# KiCad board pcb.kicad_pcb (continued)
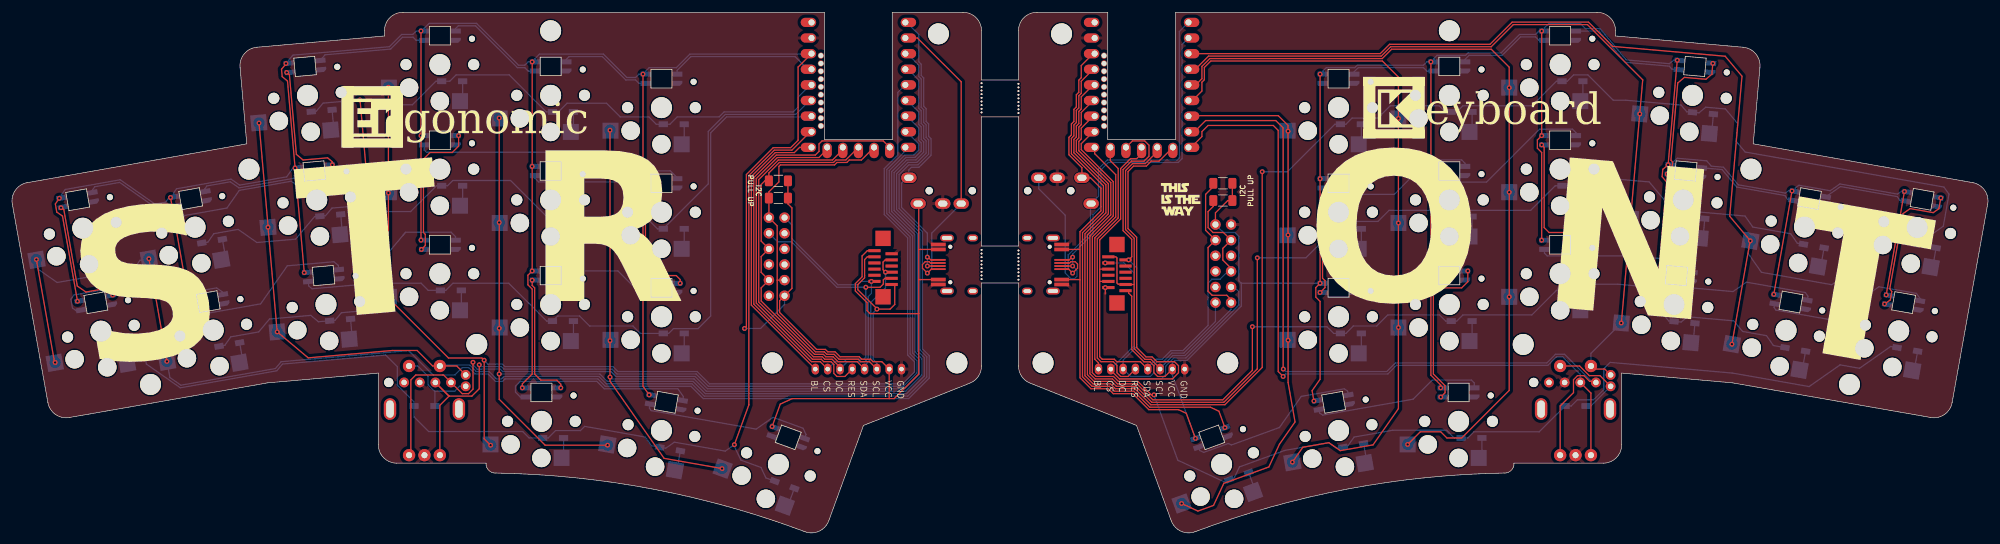
[diagram p0: board, top side]
## Routing (per net, layer and track width the routed paths; a pad name or vN(x,y) marks a point on that pad's centre or on a via; arc(x,y) is an arc through that point) (continued)
  Bottom w0.2: LED24.1 199.7,40.58 ; 199.7,40.58 199.3,40.98 199.3,48.2 198.67,48.83 196.8,48.83 CIRQUE4.1 ; 199.7,40.58 199.7,36.86 190.87,28.03 188.92,28.03 188.5,27.61 DISP2.2 188.3,26.2 v1(192.25,15.36) ; LED32.1 307.01,55.57 306.3,55.07 296.94,56.72 295.37,55.62 290.3,56.51 289.73,56.11 LED33.1 288.71,55.67 288.08,55.24 280.44,56.59 280.42,56.61 278.04,59.45 276.04,59.62 275.32,60.48 270.54,60.9 269.44,59.98 LED34.1 ; LED38.1 212.95,75.08 213.5,75.63 218.14,75.63 218.54,76.03 229.3,76.03 229.85,76.58 LED37.1 230.95,77.08 231.5,77.63 236.14,77.63 236.54,78.03 241.9,78.03 244.9,81.03 247.5,81.03 248.05,81.58 LED36.1 248.95,82.12 249.62,82.78 254.82,82.78 255.62,81.98 257.98,81.98 257.99,81.96 262.26,76.88 269.24,76.27 269.97,76.88 LED35.1
BL: length 47.3
  Top w0.2: DISP1.8 120.1,37.03 120.1,57.93 124,61.82 127.09,61.82 127.94,62.67 MCU1.15
BL_r: length 39.1
  Top w0.2: MCU2.15 175.88,61.65 179.3,58.23 179.3,51.36 175.9,47.96 175.9,28.23 176.5,27.63 DISP2.8
col0: length 247.7
  Top w0.2: v1(22.24,44.57) 25.18,27.9 ; v1(7,27.7) 6.9,27.78 v1(3.96,44.44)
  Bottom w0.2: SW1.2 3.97,44.37 4.23,42.87 7.32,40.7 19.8,42.9 20.79,44.31 v1(22.24,44.57) ; SW11.2 25.64,25.26 27.43,24.01 42.79,26.72 43.73,27.83 64.41,29.64 64.48,29.58 68.39,25.67 71.94,25.67 73.14,26.87 74.19,26.87 75.24,25.83 76.52,25.83 76.53,25.83 77.34,25.83 78.54,24.63 79.69,24.63 80.09,25.03 95.17,25.03 96.37,23.83 110.3,23.83 112.3,21.83 145.67,21.83 149.01,25.17 149.01,28.81 147.9,29.92 147.9,48.95 144.1,52.75 144.1,58.24 145.7,59.83 147.17,59.83 148.9,61.57 148.9,63.89 148.5,64.29 148.5,66.33 148.1,66.73 148.1,68.8 147.7,69.2 147.7,73.8 147.3,74.2 147.3,76.03 145.42,77.91 MCU1.3
  vias: v1(25.16,27.87)
col0_r: length 184.3
  Top w0.2: v1(297.7,30.57) 300.66,47.34 v1(300.7,47.37) ; v1(279.4,30.67) 282.36,47.44 v1(282.4,47.47) 279.05,51.47 281.04,74.24 278.32,77.49 260.05,79.09 256.1,83.03 243.7,83.03 240.1,79.43 223.8,79.43 222.27,77.91 MCU2.3
  Bottom w0.2: v1(282.4,47.47) 282.04,45.44 284.2,42.36 295.62,40.34 300,43.41 v1(300.7,47.37)
col1: length 207.4
  Top w0.2: v1(40.13,66.62) 41.61,49.7 v1(41.59,49.67) 43.07,32.68 v1(43.09,32.67) 48.11,28.46 61.79,29.65 65.81,29.65 68.33,27.13 RE1.S1 72.25,27.13 ROLL1.S1
  Bottom w0.2: RE1.S1 69.64,27.27 74.36,27.27 75.4,26.23 76.36,26.23 76.36,26.23 77.5,26.23 78.7,25.03 79.52,25.03 79.92,25.43 95.34,25.43 96.54,24.23 110.47,24.23 112.47,22.23 145.5,22.23 148.61,25.34 148.61,28.64 147.5,29.75 147.5,48.78 143.7,52.58 143.7,58.4 145.53,60.23 147,60.23 148.5,61.73 148.5,63.73 148.1,64.13 148.1,66.16 147.7,66.56 147.7,68.63 147.3,69.03 147.3,73.63 145.56,75.37 MCU1.4
col1_r: length 133
  Top w0.2: ROLL2.S1 258.75,26.63 257,26.63 RE2.S1 ; MCU2.4 192.24,75.37 194.38,77.51 222.44,77.51 223.96,79.03 240.3,79.03 243.9,82.63 255.94,82.63 264.91,73.66 264.91,73.58 v1(264.43,68.12) 262.95,51.13 v1(262.93,51.12) 261.45,34.13 v1(261.43,34.12)
  Bottom w0.2: v1(261.43,34.12) 256.5,29.19 RE2.S1
col2: length 190.7
  Top w0.2: v1(77.75,14.26) 76.7,15.3 v1(76.7,28.06) 76.34,28.43 70.9,28.43 61.15,38.18 v1(61.15,38.26) v1(61.15,55.26) v1(61.15,72.46)
  Bottom w0.2: v1(76.7,28.06) 76.7,28.03 77.3,27.43 79.67,27.43 80.07,27.03 97.63,27.03 98.43,26.23 111.3,26.23 113.3,24.23 144.67,24.23 146.61,26.17 146.61,27.81 145.5,28.92 145.5,47.96 141.7,51.76 141.7,59.23 143.9,61.43 143.9,71.61 MCU1.5
col2_r: length 130.4
  Top w0.2: MCU2.5 192.3,72.83 193.3,73.83 193.3,75.83 194.58,77.11 222.61,77.11 224.13,78.63 240.3,78.63 243.23,75.71 v1(243.23,72.38) v1(243.23,55.38) SW27.2 v1(243.23,38.38) 243.23,23.16 235.5,15.43 233.1,15.43 232.1,16.43 228.78,16.43 v1(226.73,14.38)
col3: length 189.1
  Top w0.2: v1(79.15,67.46) v1(79.15,50.46) v1(79.15,33.26) v1(79.15,25.83) 79.15,21.71 86.61,14.26 v1(96.75,14.26)
  Bottom w0.2: v1(79.15,25.83) 95.5,25.83 96.7,24.63 110.64,24.63 112.64,22.63 145.34,22.63 148.21,25.5 148.21,28.48 147.1,29.58 147.1,48.62 143.3,52.42 143.3,58.57 145.37,60.63 146.83,60.63 148.1,61.9 148.1,63.56 147.7,63.96 147.7,66 147.3,66.4 147.3,68.45 145.46,70.29 MCU1.6
col3_r: length 115.9
  Top w0.2: MCU2.6 191.76,70.29 193.3,71.83 193.3,73.26 193.7,73.66 193.7,75.66 194.75,76.71 222.62,76.71 225.23,74.11 v1(225.23,67.38) v1(225.23,50.38) 225.23,50.38 v1(225.23,33.38) 225.23,20.2 221.11,14.31 215.78,13.37 213.92,14.67 209.7,13.92 v1(208,11.5)
col4: length 166.6
  Top w0.2: v1(115.35,10.46) 108.95,11.58 105.93,12.12 97.17,24.63 97.15,24.65 v1(97.15,25.33) v1(97.15,31.26) v1(97.15,48.26) v1(97.15,65.46)
  Bottom w0.2: v1(97.15,25.33) 97.45,25.03 110.8,25.03 112.8,23.03 145.17,23.03 147.81,25.67 147.81,28.31 146.7,29.42 146.7,48.45 142.9,52.25 142.9,58.73 145.2,61.03 146.67,61.03 147.7,62.06 147.7,63.4 147.3,63.8 147.3,65.83 145.38,67.75 MCU1.7
col4_r: length 91
  Top w0.2: v1(190.01,4.78) 192.65,3.54 195.19,4.47 196.87,8.06 204.18,10.72 205.91,14.43 208.44,18.04 207.3,24.47 v1(207.3,31.31) v1(207.3,48.43) v1(207.3,65.31) 207.3,66.23 205.7,67.83 191.2,67.83 MCU2.7
CS: length 105.6
  Top w0.2: DISP1.7 131.3,27.83 129.87,27.83 120.5,37.2 120.5,57.76 124.16,61.42 130.49,61.42 131.1,62.03 131.1,63.23 131.59,63.72 141.53,63.72 MCU1.10 ; 142.9,41.38 141.8,41.38 141.55,41.13 141.55,40.46 141.02,39.93 v1(138.7,39.93)
  Bottom w0.2: CIRQUE2.10 124.35,47.32 126.61,47.32 134,39.93 v1(138.7,39.93) 138.7,28.56 138.37,28.23 135.54,28.23 135.14,27.83 133.7,27.83 DISP1.7
CS_r: length 113.3
  Top w0.2: DISP2.7 178.5,26.43 179.9,25.03 188.5,25.03 189.5,26.03 189.5,27.18 188.85,27.83 185.98,27.83 185.21,28.61 184.23,28.61 182.7,30.13 182.7,48.06 181.3,49.46 181.3,58.73 182.2,59.63 184.27,59.63 185.07,60.43 186.34,60.43 MCU2.10
  Bottom w0.2: 198.04,40.47 199.3,39.21 199.3,37.03 190.7,28.43 188.76,28.43 187.4,27.08 187.4,25.73 186.7,25.03 179.9,25.03 178.5,26.43 DISP2.7 182.3,30.43 182.3,42.23 180.65,43.88 v1(177.6,43.88)
ENCA: length 149.5
  Top w0.2: RE1.A 64.79,12.92 64.79,24.87 65.59,25.67 70.1,25.67 73.14,22.63 74.15,22.63 74.89,23.36 v1(74.89,27.73)
  Bottom w0.2: v1(74.89,27.73) 74.89,27.31 75.57,26.63 76.19,26.63 76.2,26.63 79.34,26.63 79.74,26.23 97.3,26.23 98.1,25.43 110.97,25.43 112.97,23.43 145.01,23.43 147.41,25.83 147.41,28.14 146.3,29.25 146.3,48.29 142.5,52.09 142.5,58.9 145.03,61.43 146.5,61.43 147.3,62.23 147.3,63.23 145.32,65.21 MCU1.8
ENCA_r: length 127.4
  Top w0.2: RE2.A 251.5,20.63 253.67,22.8 253.67,24.91 254.32,25.56 255.38,25.56 256.3,24.63 257.14,24.63 ROLL2.A ; MCU2.8 192.08,65.21 193.9,67.03 205.3,67.03 206.5,65.83 206.5,26.66 v1(206.53,26.63)
  Bottom w0.2: v1(206.53,26.63) 206.93,26.23 223.34,26.23 224.74,27.63 249.34,27.63 250.74,29.03 252.22,29.03 256.8,24.46 ROLL2.A
ENCB: length 139.2
  Top w0.2: 71,22.23 70.96,22.27 ; 71,22.23 74.7,22.23 75.9,23.43 v1(75.9,27.33) ; 71,22.23 69.5,20.74 RE1.B ; 70.96,22.27 ROLL1.B 70.96,22.27
  Bottom w0.2: MCU1.9 145.12,62.08 142.1,59.06 142.1,51.92 145.9,48.12 145.9,29.09 147.01,27.98 147.01,26 144.84,23.83 113.13,23.83 111.13,25.83 98.27,25.83 97.47,26.63 79.9,26.63 79.5,27.03 76.2,27.03 v1(75.9,27.33)
ENCB_r: length 121.8
  Top w0.2: RE2.B 256.5,22.73 ROLL2.B ; MCU2.9 191.54,62.67 193.3,64.43 193.3,65.23 194.3,66.23 204.9,66.23 205.7,65.43 205.7,26.23 v1(206.5,25.43)
  Bottom w0.2: ROLL2.B 254.77,25.76 251.9,28.63 250.9,28.63 249.5,27.23 224.9,27.23 223.5,25.83 206.9,25.83 v1(206.5,25.43)
LED: length 24.2
  Bottom w0.2: LED1.4 108.05,75.19 110.29,77.43 127.22,77.43 129.28,75.37 MCU1.20
LED_r: length 82.2
  Top w0.2: 175.64,75.37 173.7,73.43 173.7,71.46 173.3,71.06 173.3,69.08 172.9,68.68 172.9,66.71 172.5,66.31 172.5,64.53 172.1,64.13 172.1,61.64 177.3,56.44 177.3,52.19 173.9,48.79 173.9,25.38 175.45,23.83 178.27,23.83 179.07,23.03 182.24,23.03 184.84,20.43 194.67,20.43 196.07,19.78 v1(197.04,17.11)
MISO: length 92
  Top w0.2: DISP1.6 134.5,26.94 133.22,28.23 132.03,28.23 131.63,28.63 130.2,28.63 121.3,37.53 121.3,57.43 124.49,60.62 133.29,60.62 134.96,62.29 MCU1.13
  Bottom w0.2: CIRQUE2.11 126.7,50.05 126.7,47.8 134.17,40.33 137.4,40.33 137.95,40.88 v1(139.6,40.88) 139.6,38.93 139.1,38.43 139.1,28.4 138.54,27.83 135.7,27.83 DISP1.6
MISO_r: length 69.5
  Top w0.2: MCU2.13 182.01,63.72 184.01,63.72 184.7,63.03 184.7,61.23 183.9,60.43 181.87,60.43 180.5,59.06 180.5,49.13 181.9,47.73 181.9,44.88 v1(181.4,44.38)
  Bottom w0.2: v1(181.4,44.38) 182.7,43.08 182.7,30.63 182.7,30.26 180.5,28.06 DISP2.6 181.7,25.43 184.9,25.43 185.5,26.03 185.5,27.3 186.03,27.83 187.02,27.83 188.42,29.23 190.37,29.23 195.5,34.36 195.5,37.93
MOSI/SCL: length 82.5
  Top w0.2: v1(141.9,42.38) 141.5,42.78 141.5,44.03 141.85,44.38 CIRQUE1.4 ; DISP1.4 137.3,27.83 134.18,27.83 133.38,28.63 132.2,28.63 131.8,29.03 130.37,29.03 121.7,37.69 121.7,39.83 CIRQUE2.4 121.7,42.35 121.7,44.91 CIRQUE2.8 121.7,47.43 121.7,56.63 122.3,57.23 R1.2 122.95,58.51 124.66,60.22 133.46,60.22 133.86,60.62 135.45,60.62 MCU1.12
  Bottom w0.2: DISP1.4 138.5,27.23 139.5,28.23 139.5,37.43 141.9,39.83 v1(141.9,42.38)
MOSI/SCL_r: length 87.3
  Top w0.2: CIRQUE3.8 176.75,42.88 ; 198.04,43.01 196.7,44.35 196.7,46.25 CIRQUE4.4 196.8,48.83 195.1,48.83 194.3,49.63 194.3,52.23 195.15,53.08 R3.2 ; MCU2.12 183.5,61.63 182.7,60.83 181.7,60.83 180.1,59.23 180.1,51.03 176.7,47.63 176.7,28.63 177.1,28.23 179.07,28.23 179.47,27.83 183.3,27.83 DISP2.4 ; CIRQUE3.4 176.75,40.88
  Bottom w0.2: 198.04,43.01 196.26,41.23 194.92,41.23 194.3,40.61 194.3,33.73 190.21,29.63 188.26,29.63 186.86,28.23 185.86,28.23 184.5,26.87 DISP2.4
row0: length 153.7
  Top w0.2: v1(57.65,57.74) 56.54,70.36
  Bottom w0.2: v1(57.65,57.74) 55.28,57.54 45.99,56.72 45.35,57.17 36.93,55.68 34.91,52.81 28.06,51.6 27.54,50.86 21.12,49.73 14.05,48.48 13.07,47.08 D1.1 ; D2.1 49.43,68.55 50.53,69.86 55.46,70.3 v1(56.51,70.39) 58.3,70.54 59.44,69.59 65.04,69.59 68.88,73.43 D3.1 71.12,73.43 72.15,74.46 80.78,74.46 86.8,68.43 88.75,68.43 90.18,69.86 96.58,69.86 98.8,67.63 103.46,67.63 104.66,66.43 106.88,66.43 108.08,67.63 114.88,67.63 115.68,68.43 126.9,68.43 127.7,69.23 127.7,70.83 129.7,72.83 MCU1.19
row0_r: length 255.7
  Top w0.2: 175.64,72.83 173.7,70.89 173.7,68.92 173.3,68.52 173.3,66.54 172.9,66.14 172.9,64.37 172.5,63.97 172.5,61.8 177.7,56.6 177.7,52.02 174.3,48.62 174.3,25.55 175.62,24.23 178.44,24.23 179.24,23.43 182.41,23.43 185.01,20.83 197.03,20.83 203.1,26.9 v1(203.1,58.72)
  Bottom w0.2: D21.1 309.5,46.88 313.75,49.85 314.67,55.06 313.86,56.22 281.56,61.92 280.09,63.66 280.34,66.54 278.34,68.92 275.15,69.2 274.07,68.29 D22.1 272.06,68.46 271.15,69.55 262.09,70.34 260.12,70.34 256.01,74.45 253.69,74.45 252.67,73.43 D23.1 250.9,73.43 246.9,69.43 235.7,69.43 234.7,68.43 D24.1 232.85,68.43 231.85,69.43 223.89,69.43 221.89,67.43 217.7,67.43 216.7,66.43 D25.1 214.9,66.43 207.19,58.72 v1(203.1,58.72)
row1: length 123.1
  Bottom w0.2: D6.1 30.89,47.09 31.81,47.26 32.79,48.65 36.73,49.34 39.78,47.2 46.08,47.76 49.14,51.41 D7.1 50.94,51.56 51.98,52.8 57.95,53.33 59.25,52.23 64.76,52.23 68.95,56.43 70.75,56.43 71.61,57.28 81,57.28 86.85,51.43 D9.1 88.83,52.46 91.95,52.46 93.77,50.63 103.65,50.63 104.85,49.43 D10.1 113.1,56.73 113.1,65.25 115.88,68.03 127.3,68.03 129.56,70.29 MCU1.18
row1_r: length 198.7
  Top w0.2: v1(202.3,44.72) 202.3,26.66 196.87,21.23 185.17,21.23 182.57,23.83 179.41,23.83 178.61,24.63 175.79,24.63 174.7,25.71 174.7,48.46 178.1,51.86 178.1,56.77 172.9,61.97 172.9,63.8 173.3,64.2 173.3,65.98 173.7,66.38 173.7,68.35 175.64,70.29
  Bottom w0.2: D26.1 290.03,47.1 288.96,48.63 282.8,49.71 281.55,51.51 273.59,52.2 272.52,51.3 270.66,51.46 265.97,57.05 261.68,57.43 253.7,57.43 252.7,56.43 D28.1 250.7,56.43 246.7,52.43 235.7,52.43 234.7,51.43 D29.1 232.9,51.43 231.9,52.43 223.7,52.43 221.9,50.63 217.9,50.63 216.7,49.43 D30.1 214.9,49.43 210.19,44.72 v1(202.3,44.72)
row2: length 138.9
  Bottom w0.2: D13.1 67.6,39.43 66.44,40.59 60.15,40.59 58.83,39.27 58.95,37.88 57.5,36.14 53.51,35.8 52.48,34.56 D12.1 49.77,34.32 48.53,35.36 41.84,34.77 40.07,32.67 35.54,31.87 34.59,30.5 D11.1 ; 129.53,67.63 116.09,67.63 113.5,65.04 113.5,35.25 111.45,33.21 107.45,33.21 106.68,32.43 D15.1 102.07,32.43 100.87,33.63 93.83,33.63 92.2,35.26 88.63,35.26 D14.1 86.85,34.43 80.69,40.59 71.64,40.59 70.48,39.43 69.33,39.43
row2_r: length 179.5
  Top w0.2: 175.64,67.75 173.7,65.81 173.7,64.04 173.3,63.64 173.3,62.13 178.5,56.93 178.5,51.69 175.1,48.29 175.1,25.88 175.95,25.03 178.77,25.03 179.57,24.23 182.74,24.23 185.34,21.63 196.7,21.63 201.5,26.43 v1(201.5,33.52)
  Bottom w0.2: v1(201.5,33.52) 213.62,33.52 214.7,32.43 D35.1 216.7,32.43 217.9,33.63 221.7,33.63 223.5,35.43 231.9,35.43 232.9,34.43 D34.1 234.7,34.43 235.7,35.43 246.9,35.43 250.9,39.43 252.7,39.43 253.7,40.43 260.79,40.43 264.4,40.11 269.15,34.45 271.15,34.28 272.17,35.13 279.69,34.47 281.14,32.74 285.02,32.06 286.14,30.46 D31.1
row3: length 186.7
  Top w0.2: MCU1.16 129.68,65.21 126.69,62.22 123.83,62.22 119.7,58.09 119.7,20.82 119.71,20.81 v1(117.35,14.34)
  Bottom w0.2: 58.53,28.72 60.7,28.91 62.59,27.02 62.59,24 65.3,21.29 D17.1 65.3,18.86 67.69,16.47 82.96,16.47 84,15.43 D18.1 87.1,15.43 88.3,16.63 92.34,16.63 93.02,17.31 102.87,15.58 103.86,14.17 D19.1 106.19,13.76 107.6,14.74 115.85,13.29 v1(117.35,14.34) 117.3,14.2 118.4,11.82 121.68,10.63 122.47,8.93 D20.1 ; D16.1 16.17,30.3 17.04,31.54 19.8,32.03 21.19,31.06 21.83,27.44 27.33,23.59 43.01,26.35 43.93,27.44 58.79,28.74
row3_r: length 197.7
  Top w0.2: 175.64,65.21 173.7,63.27 173.7,62.3 178.9,57.1 178.9,51.53 175.5,48.13 175.5,26.04 176.12,25.43 178.94,25.43 179.74,24.63 182.9,24.63 185.09,22.44 v1(185.51,22.44)
  Bottom w0.2: v1(185.51,22.44) 189.38,11.81 189.54,11.74 196.84,8.34 198.57,8.96 199.39,10.72 206.71,13.39 206.72,13.4 213.9,14.66 215.2,13.75 216.96,14.06 218.02,15.58 224.3,16.68 233.05,16.68 233.5,16.23 ; D36.1 305.2,30.31 300.13,26.76 296.98,27.31 291.94,23.78 279.52,25.97 259.62,27.72 258.6,26.7 258.6,23.3 256.94,21.63 254.3,21.63 253.3,20.63 D37.1 248.1,16.43 237.5,16.43 236.5,15.43 D38.1 234.3,15.43 233.5,16.23 ; 233.5,16.23 233.1,16.63
RST: length 55.9
  Top w0.2: DISP1.5 135.3,25.43 134,25.43 133.5,25.93 133.5,27.38 133.05,27.83 131.87,27.83 131.47,28.23 130.03,28.23 120.9,37.36 120.9,57.6 124.33,61.02 131.09,61.02 132.42,62.35 MCU1.14
RST_r: length 44.8
  Top w0.2: DISP2.5 181.3,25.43 180.1,25.43 179.5,26.03 179.5,27.23 178.9,27.83 176.9,27.83 176.3,28.43 176.3,47.8 179.7,51.2 179.7,59.23 178.42,60.51 MCU2.14
RX: length 49.9
  Top w0.2: 149.4,42.88 149.35,42.88 v1(148.7,42.23) 147.9,43.03 147.9,43.63 148.35,44.08 148.99,44.08 149.19,43.88 149.4,43.88 ; TRRS1.R2 154.2,73.33 147.08,80.45 MCU1.2
  Bottom w0.2: TRRS1.R2 149.41,48.74 149.41,42.94 v1(148.7,42.23)
RX_r: length 75.3
  Top w0.2: 171.35,44.38 171.75,44.38 172.2,44.83 v1(172.3,44.83) ; v1(172.3,43.38) 171.35,43.38
  Bottom w0.2: TRRS2.R2 166.8,55.93 171.1,51.63 171.1,42.24 172.01,41.33 172.6,41.33 173,41.73 173,42.68 v1(172.3,43.38) v1(172.3,44.83) 172.3,45.35 175.6,48.65 175.6,51.73 176.9,53.03 176.9,59.01 178.11,60.22 189.46,60.22 190.07,60.83 190.07,79.4 MCU2.2
SCLK/SDA: length 90.8
  Top w0.2: CIRQUE1.12 143.4,37.13 142.65,36.37 v1(140.5,36.37) 140.5,36.43 137.4,39.53 137.4,40.36 138.5,41.46 138.5,44.43 138.95,44.88 CIRQUE1.3 ; CIRQUE2.3 124.3,41.09 ; DISP1.3 139.3,27.83 137.87,27.83 137.47,28.23 134.35,28.23 133.55,29.03 132.37,29.03 131.97,29.43 130.53,29.43 124.3,35.66 124.3,49.91 CIRQUE2.12 122.96,54.42 R2.2 122.95,55.43 124.58,57.05 124.58,59.57 124.82,59.82 133.62,59.82 134.02,60.22 135.62,60.22 136.02,60.62 137.99,60.62 MCU1.11
  Bottom w0.2: v1(140.5,36.37) 139.9,35.77 139.9,28.18 140.5,27.58 DISP1.3
SCLK/SDA_r: length 92.6
  Top w0.2: 198.04,37.93 197.34,38.63 194.96,38.63 194.3,39.29 194.3,46.39 CIRQUE4.3 193.9,49.19 193.9,55.03 195.15,56.28 R4.2 ; CIRQUE3.12 179.32,44.88 179.5,44.69 179.5,40.63 179.7,40.43 181.4,40.43 ; DISP2.3 186.5,26.74 185.04,28.21 184.06,28.21 182.3,29.96 182.3,47.9 180.9,49.3 180.9,58.9 182.03,60.03 184.1,60.03 186.04,61.97 MCU2.11 ; CIRQUE3.3 182.25,40.38 ; 185.8,62.67 185.8,62
  Bottom w0.2: 198.04,37.93 198.04,36.34 190.54,28.83 188.59,28.83 186.5,26.74 DISP2.3
SW_ENCA: length 14.4
  Bottom w0.2: D17.2 68.7,22.97 ; 68.7,22.97 67.59,24.08 67.59,25.45 65.92,27.13 RE1.S2 ; 68.7,22.97 68.76,23.03 71.9,23.03 72.7,23.83 ROLL1.S2
SW_ENCA_r: length 14.9
  Top w0.2: ROLL2.S2 257.98,25.56 256.24,25.56 254.66,27.13 RE2.S2
  Bottom w0.2: ROLL2.S2 256.5,20.63 D37.2
TX: length 47.9
  Top w0.2: v1(148.7,44.83) 148.81,44.83 149.26,44.38 149.65,44.38 ; v1(148.7,43.38) 149.4,43.38
  Bottom w0.2: v1(148.7,43.38) v1(148.7,44.83) 148.7,48.72 144.5,52.92 144.5,56.83 145.4,57.73 TRRS1.S 145.7,59.03 146.1,59.43 147.33,59.43 149.3,61.4 149.3,64.06 148.9,64.46 148.9,66.49 148.5,66.89 148.5,68.96 148.1,69.36 148.1,73.96 147.7,74.36 147.7,76.2 147.3,76.6 147.3,81.03 145.34,82.99 MCU1.1
TX_r: length 60.8
  Top w0.2: 171.35,42.88 171.65,42.88 v1(172.3,42.23) 173.1,43.03 173.1,43.7 172.72,44.08 172.01,44.08 171.81,43.88 171.35,43.88
  Bottom w0.2: MCU2.1 189.63,81.5 189.63,60.96 189.29,60.62 177.95,60.62 176.5,59.18 176.5,54.73 175.2,53.43 175.2,48.82 171.58,45.19 171.58,42.96 v1(172.3,42.23)
Net-(D1-A): length 3.4
  Bottom w0.2: SW1.1 16.07,44.71 D1.2
Net-(D2-A): length 3.5
  Bottom w0.2: SW2.1 52.24,66.03 D2.2
Net-(D3-A): length 3.4
  Bottom w0.2: D3.2 73.2,70.61 72.78,70.18
Net-(D4-A): length 3.4
  Bottom w0.2: D4.2 91.2,65.61 SW4.1
Net-(D5-A): length 3.4
  Bottom w0.2: 108.78,63.18 109.2,63.61 D5.2
Net-(D6-A): length 3.5
  Bottom w0.2: D6.2 34.61,45.28 SW6.1
Net-(D7-A): length 3.4
  Bottom w0.2: D7.2 53.65,48.92 SW7.1
Net-(D8-A): length 3.4
  Bottom w0.2: SW8.1 73.2,53.61 D8.2
Net-(D9-A): length 3.4
  Bottom w0.2: SW9.1 91.2,48.61 D9.2
Net-(D10-A): length 3.4
  Bottom w0.2: D10.2 109.2,46.61 108.78,46.18
Net-(D11-A): length 3.5
  Bottom w0.2: D11.2 37.43,28.36 SW11.1
Net-(D12-A): length 3.5
  Bottom w0.2: D12.2 55.24,32.03 SW12.1
Net-(D13-A): length 3.3
  Bottom w0.2: D13.2 73,36.41 SW13.1
Net-(D14-A): length 3.4
  Bottom w0.2: D14.2 91.2,31.61 90.78,31.18
Net-(D15-A): length 3.4
  Bottom w0.2: SW15.1 109.2,29.61 D15.2
Net-(D16-A): length 3.4
  Bottom w0.2: SW16.1 19.06,28.01 D16.2
Net-(D18-A): length 3.4
  Bottom w0.2: 89.28,12.18 89.6,12.51 D18.2
Net-(D19-A): length 3.4
  Bottom w0.2: D19.2 108.07,10.47 SW18.1
Net-(D20-A): length 3.4
  Bottom w0.2: SW19.1 126.18,4.71 D20.2
Net-(D21-A): length 3.4
  Bottom w0.2: SW20.1 312.07,43.47 D21.2
Net-(D22-A): length 3.4
  Bottom w0.2: SW21.1 276.15,65.25 D22.2
Net-(D23-A): length 3.4
  Bottom w0.2: SW22.1 255.2,70.61 D23.2
Net-(D24-A): length 3.4
  Bottom w0.2: D24.2 237.2,65.61 SW23.1
Net-(D25-A): length 3.4
  Bottom w0.2: SW24.1 219.2,63.61 D25.2
Net-(D26-A): length 3.3
  Bottom w0.2: D26.2 293.91,43.66 SW25.1
Net-(D27-A): length 3.4
  Bottom w0.2: D27.2 274.76,48.35 SW26.1
Net-(D28-A): length 3.4
  Bottom w0.2: D28.2 255.2,53.61 SW27.1
Net-(D29-A): length 3.4
  Bottom w0.2: D29.2 237.2,48.61 SW28.1
Net-(D30-A): length 3.4
  Bottom w0.2: SW29.1 219.2,46.61 D30.2
Net-(D31-A): length 3.3
  Bottom w0.2: D31.2 290.91,26.86 SW30.1
Net-(D32-A): length 3.4
  Bottom w0.2: D32.2 273.15,31.25 SW31.1
Net-(D33-A): length 3.4
  Bottom w0.2: SW32.1 255.2,36.61 D33.2
Net-(D34-A): length 3.4
  Bottom w0.2: 236.78,31.18 237.2,31.61 D34.2
Net-(D35-A): length 3.4
  Bottom w0.2: D35.2 219.2,29.61 SW34.1
Net-(D36-A): length 3.4
  Bottom w0.2: D36.2 309.07,26.67 SW35.1
Net-(D38-A): length 3.5
  Bottom w0.2: SW36.1 238.8,12.71 D38.2
Net-(D39-A): length 3.3
  Bottom w0.2: D39.2 220.06,11.77 SW37.1
Net-(D40-A): length 3.4
  Bottom w0.2: D40.2 201.86,7.18 SW38.1
Net-(LED1-DOUT): length 15.3
  Bottom w0.2: LED2.4 90.05,76.98 90.5,77.43 95.9,77.43 99.7,73.63 101.3,73.63 101.85,73.08 LED1.2
Net-(LED2-DOUT): length 16.5
  Bottom w0.2: LED3.4 72.05,81.98 72.5,82.43 75.3,82.43 82.1,75.63 83.3,75.63 83.85,75.08 LED2.2
Net-(LED3-DOUT): length 18.4
  Bottom w0.2: LED4.4 50.85,77.72 61.51,78.66 61.57,78.72 63.43,80.58 65.15,80.58 65.65,80.08 LED3.2
Net-(LED4-DOUT): length 20.5
  Top w0.2: v1(52.04,59.83) 52,60.36 51.26,60.97 47.28,60.62 46.19,61.53 45.06,74.48 v1(44.63,74.85)
Net-(LED5-DOUT): length 16.5
  Bottom w0.2: LED6.4 31.33,55.93 31.66,56.41 35.45,57.08 36.88,56.08 46.58,57.79 LED5.2
Net-(LED6-DOUT): length 15.7
  Bottom w0.2: 26.62,53.15 25.63,52.97 25.06,53.38 23.11,53.03 17.48,56.98 13.44,56.27 13.03,55.69 13.08,55.41
Net-(LED7-DOUT): length 20.2
  Top w0.2: v1(16.35,38.66) 16.27,39.1 15.35,39.75 12,39.16 10.61,40.13 8.42,52.54 v1(7.96,52.87)
  Bottom w0.2: LED7.2 8,52.92 v1(7.96,52.87)
Net-(LED8-DOUT): length 29.7
  Bottom w0.2: LED9.4 34.18,39.16 33.23,39.83 27.29,38.78 23.94,41.13 10.05,38.68 9.56,37.98 9.82,36.54 10.45,36.1 LED8.2
Net-(LED10-DIN): length 28.5
  Bottom w0.2: LED9.2 29.6,35.8 30.14,35.43 40.39,37.23 44.72,43.42 52.3,44.08 53.02,43.48 LED10.4
Net-(LED10-DOUT): length 30
  Bottom w0.2: 63.53,48.39 63.88,48.81 63.96,48.88 71.32,48.88 72.05,48.15 LED11.4 ; 63.53,48.39 63.8,48.72 ; 63.53,48.39 56.82,40.39 48.74,39.69 48.19,40.14 LED10.2
Net-(LED11-DOUT): length 23.4
  Top w0.2: v1(66.5,46.08) 67.14,46.72 67.14,48.53 66.84,48.83 66.84,60.77 67.9,61.83 71.5,61.83 72.55,62.88 v1(72.55,64.58)
Net-(LED12-DOUT): length 25.5
  Bottom w0.2: LED13.4 90.05,60.35 88.52,61.88 67.32,61.88 66.95,62.25 LED12.2
Net-(LED13-DOUT): length 25.1
  Bottom w0.2: LED13.2 84.95,57.65 85.55,57.06 98.35,57.06 100.15,58.86 106.95,58.86 108.05,57.75 LED14.4
Net-(LED14-DOUT): length 20.3
  Top w0.2: v1(102.55,56.06) 102.55,55.15 102.9,54.8 102.9,42.83 103.9,41.83 107.9,41.83 108.55,41.18 v1(108.55,40.58)
  Bottom w0.2: LED14.2 102.95,56.06 102.95,56.06
Net-(LED15-DOUT): length 14.3
  Bottom w0.2: LED15.2 101.94,39.08 98.44,42.58 LED16.4
Net-(LED16-DOUT): length 20.9
  Top w0.2: v1(84.5,41.08) 84.5,40.23 84.9,39.83 84.9,25.83 85.9,24.83 88.5,24.83 89.15,24.18 v1(89.15,23.58)
Net-(LED17-DOUT): length 32.4
  Bottom w0.2: LED17.2 82.58,22.08 81.79,22.87 81.79,23.87 82.55,24.63 95.01,24.63 96.21,23.43 108.17,23.43 109.06,22.16 LED18.4
Net-(LED18-DOUT): length 28.8
  Bottom w0.2: LED19.4 128.99,15.99 128.51,17.01 123.63,18.79 120.89,16.87 103.83,19.88 103.55,20.29 LED18.2
Net-(LED20-DOUT): length 29
  Bottom w0.2: LED20.2 192.97,13.38 193.6,13.09 197.58,14.53 198.09,14.29 205.87,17.12 205.9,17.13 209.44,22.19 216.44,23.42 216.97,23.04 LED21.4
Net-(LED21-DOUT): length 28.3
  Bottom w0.2: LED21.2 212.42,19.5 212.92,19.15 227.62,21.74 227.65,21.78 230.7,24.83 237.1,24.83 237.55,24.38 LED22.4
Net-(LED22-DOUT): length 25.9
  Top w0.2: v1(232.1,22.08) 232.8,22.78 232.8,23.93 230.9,25.83 230.9,38.63 232.1,39.83 235.5,39.83 236.5,40.83 v1(236.5,42.58)
Net-(LED23-DOUT): length 13.1
  Bottom w0.2: LED23.2 219.56,41.08 219.05,40.58 LED24.4
Net-(LED24-DOUT): length 23.5
  Top w0.2: v1(212.5,39.08) 213.3,39.88 213.3,41 212.9,41.4 212.9,53.83 213.9,54.83 217.7,54.83 218.5,55.63 v1(218.5,57.58)
Net-(LED25-DOUT): length 26.9
  Bottom w0.2: LED25.2 212.95,55.58 213.5,55.03 224.54,55.03 230.14,60.63 235.5,60.63 236.05,60.08 LED26.4
Net-(LED26-DOUT): length 28.2
  Bottom w0.2: LED27.4 254.05,65.08 253.5,65.63 248.14,65.63 239.54,57.03 231.39,57.03 230.95,57.47 LED26.2
Net-(LED27-DOUT): length 20.3
  Top w0.2: v1(248.5,63.08) 248.9,62.68 248.9,49.63 249.7,48.83 253.7,48.83 254.5,48.03 v1(254.5,47.58)
Net-(LED28-DOUT): length 26.4
  Bottom w0.2: LED29.4 273.09,43.34 272.37,44.2 262.93,45.03 249.39,45.03 248.95,45.47 LED28.2
Net-(LED29-DOUT): length 26.5
  Bottom w0.2: LED29.2 267.74,40.7 268.13,40.23 279.59,39.23 281.77,40.76 291.34,39.07 291.76,38.47 LED30.4
Net-(LED30-DOUT): length 27.3
  Bottom w0.2: LED30.2 286.26,36.64 286.56,36.21 295.59,34.62 303.28,40.01 309.39,38.93 310,38.05 LED31.4
Net-(LED31-DOUT): length 23.6
  Top w0.2: v1(304.21,37.21) 305.14,37.86 305.38,39.23 305.05,39.7 307.21,51.91 308.37,52.72 312.11,52.06 313.03,52.71 v1(313.34,54.46)
Net-(LED32-DOUT): length 14
  Bottom w0.2: LED33.4 297.03,56.3 306.26,54.67 306.65,54.11 LED32.2
Net-(LED33-DOUT): length 16.7
  Bottom w0.2: LED34.4 277.8,59.07 280.16,56.25 280.18,56.22 288.01,54.84 288.47,54.19 LED33.2
Net-(LED34-DOUT): length 23.3
  Top w0.2: v1(268.91,58.34) 269.67,58.98 269.78,60.27 269.51,60.59 270.61,73.14 271.69,74.05 275.18,73.75 276.15,74.56 v1(276.31,76.33)
Net-(LED35-DOUT): length 19.4
  Bottom w0.2: LED35.2 269.63,75.41 269.24,75.87 262.06,76.5 257.79,81.58 LED36.4
Net-(LED36-DOUT): length 15
  Bottom w0.2: LED36.2 248.05,80.08 247.5,80.63 245.07,80.63 242.07,77.63 236.7,77.63 236.05,76.98 LED37.4
Net-(LED37-DOUT): length 13.8
  Bottom w0.2: LED38.4 218.05,74.98 218.7,75.63 229.3,75.63 229.85,75.08 LED37.2

## Copper pours and planes (outline as drawn; the poured copper is in the pictures)
GND on Top, Bottom: 157.5,84.63 -2.5,84.63 -2.5,-0.37 157.5,-0.37
GNDA on Top, Bottom: 163.5,84.63 323.5,84.63 323.5,-0.37 163.5,-0.37

## Text on the board
B.Silkscreen: github.com/zzeneg/stront
F.Mask: github.com/zzeneg/stront
F.Silkscreen: I2C / PULL UP | gonomic | eyboard | Er | K | N | R | O | T | S
